# Altium PCB master.PcbDoc (part 8 of 10)
Units mm, origin at the board's own origin, x right, y up, seen from the top; angles counter-clockwise.
Board outline 160 x 120 mm, 6 copper layers (Top Signal, Top GND, Inner PWR, Inner Signal, Bottom GND, Bottom Signal), stack 1.601 mm thick; 526 components, 435 nets, 2167 pads, 1617 vias.
Unrouted connection lines stored in the file: 3.
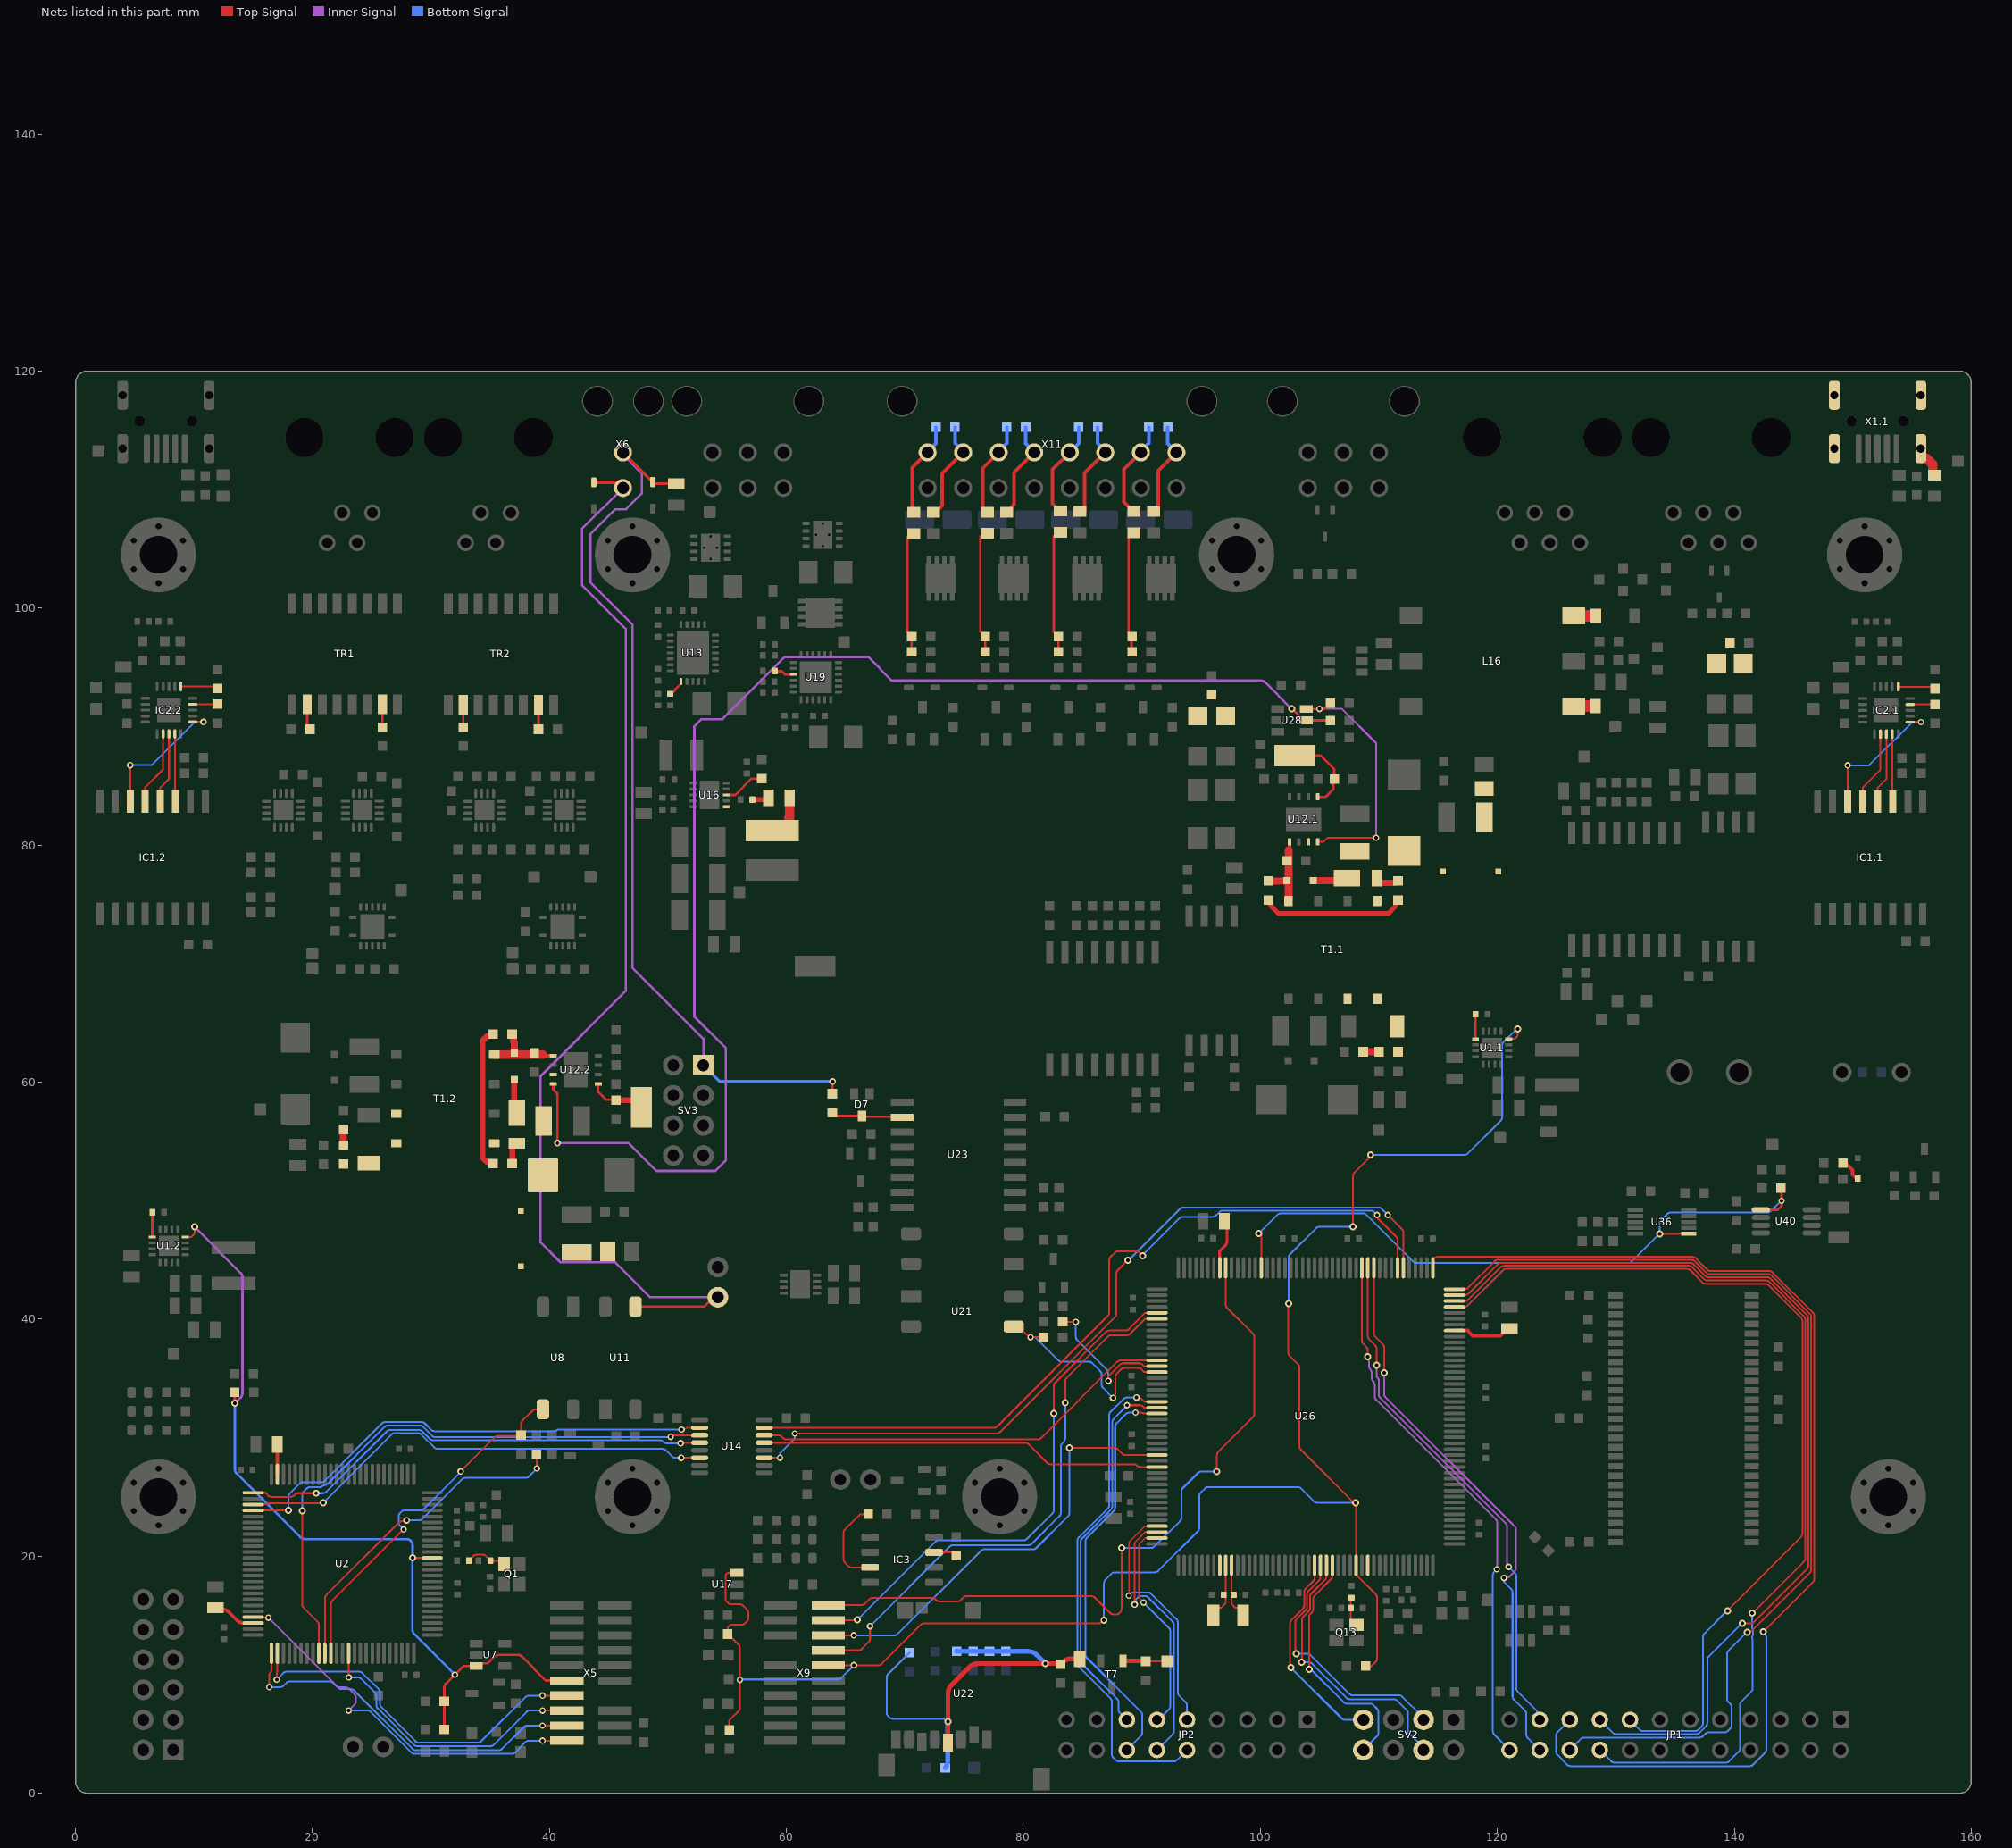
[diagram p12: the nets of this part, all layers, seen from the top]

## Via types
v1: diameter 0.6, hole 0.3, Top Signal to Bottom Signal, 1012 vias
v2: diameter 0.55, hole 0.3, Top Signal to Bottom Signal, 235 vias
v3: diameter 0.45, hole 0.2, Top Signal to Bottom Signal, 178 vias
v4: diameter 0.55, hole 0.3, Top Signal to Bottom Signal, tented both sides, 112 vias
v5: diameter 0.5, hole 0.2, Top Signal to Bottom Signal, 50 vias
v6: diameter 0.45, hole 0.2, Top Signal to Bottom Signal, tented top, 15 vias
v7: diameter 0.5, hole 0.3, Top Signal to Bottom Signal, tented both sides, 12 vias
v8: diameter 0.6, hole 0.3, Top Signal to Bottom Signal, tented both sides, 2 vias
v9: diameter 0.5, hole 0.3, Top Signal to Bottom Signal, 1 vias

## Nets (pads, with @x,y where several pads share a name; then routed paths per layer and width w, separated by ;. In a path a pad name is that pad's centre, name@x,y a point inside that pad or via, vN(x,y) a via of type N, cw(c..) or ccw(c..) an arc to the next point about the centre after c; other vN are vias at no path point) (continued)
I2C3.SDA: R127.1 U26.118 U36.6 U40.5 | length 58.1
  Top Signal w0.15: v1(99.865,47.238) 100.072,47.03 100.072,46.652 100.079,46.646 100.079,46.23 100.072,46.223 U26.118@100.072,44.334 ; v1(133.697,47.203) U36.6@136.147,47.202
  Top Signal w0.2: U40.5@142.24,49.224 143.665,49.224 143.987,49.546 v7(143.987,49.984) 143.987,51.023 R127.1@143.943,51.067
  Bottom Signal w0.15: v1(99.865,47.238) 101.43,48.803 cw(c101.695,48.538) 101.695,48.913 108.686,48.913 cw(c108.686,48.538) 108.954,48.801 112.895,44.859 ccw(c113.16,45.125) 113.16,44.75 131.089,44.75 ccw(c131.089,45.125) 131.354,44.86 v1(133.697,47.203) 133.697,48.085 cw(c134.072,48.085) 133.807,48.35 134.347,48.89 cw(c134.612,48.624) 134.612,48.999 142.784,48.999 ccw(c142.784,49.374) 143.049,49.109 v7@143.956,50.016
INTERLOCK_CONTROL_MCU_0: R85.2 U26.146 | length 12.2
  Top Signal w0.152: R85.2@83.313,39.775 v2(84.425,39.775) ; v2(87.175,34.8) 87.175,35.175 88.17,36.17 cw(c88.439,35.902) 88.439,36.282 89.761,36.282 cw(c89.761,35.902) 90.03,36.17 90.166,36.034 U26.146@91.273,36.034
  Bottom Signal w0.152: v2(84.425,39.775) 84.425,38.507 ccw(c84.805,38.507) 84.536,38.239 87.064,35.711 cw(c86.795,35.443) 87.175,35.443 v2(87.175,34.8)
INTERLOCK_CONTROL_MCU_1: R40.2 U2.85 | length 28.3
  Top Signal w0.152: U2.85@21.042,11.804 21.042,16.44 cw(c21.423,16.44) 21.154,16.709 27.277,22.832 cw(c27.547,22.563) 27.547,22.944 27.712,22.944 ccw(c27.712,23.325) 27.93,23.013 v4(27.94,23.02) ; R40.2@38.913,28.6 38.914,28.599 38.92,28.577 cw(c38.552,28.478) 38.933,28.478 v2(38.933,27.4)
  Bottom Signal w0.152: v4(27.94,23.02) 28.987,23.02 ccw(c28.987,23.401) 29.257,23.132 32.613,26.488 cw(c32.883,26.219) 32.883,26.6 37.975,26.6 ccw(c37.975,26.981) 38.244,26.712 v2(38.933,27.4)
INTERLOCK_FEEDBACK_MCU_0: R84.2 U21.3 U26.147 | length 18.4
  Top Signal w0.152: U21.3@79.175,39.375 79.445,39.375 cw(c79.445,38.994) 79.716,39.261 80.397,38.581 ccw(c80.666,38.85) v2(80.6,38.475) R84.2@81.713,38.475 ; v2@87.565,33.384 87.662,33.48 ccw(c87.392,33.75) 87.773,33.75 87.773,35.141 cw(c88.154,35.141) 87.885,35.41 88.247,35.772 cw(c88.517,35.503) 88.517,35.884 89.693,35.884 cw(c89.693,35.503) 89.963,35.771 cw(c89.695,35.501) 89.965,35.769 90.201,35.534 U26.147@91.273,35.534
  Bottom Signal w0.152: v2(80.6,38.475) 81,38.475 82.964,36.511 ccw(c83.233,36.781) 83.233,36.4 85.542,36.4 cw(c85.542,36.019) 85.814,36.286 86.487,35.613 cw(c86.219,35.342) 86.6,35.342 86.6,34.473 ccw(c86.981,34.473) 86.712,34.204 v2(87.565,33.35)
INTERLOCK_FEEDBACK_MCU_1: R35.2 U2.86 U8.3 | length 30.7
  Top Signal w0.152: U2.86@21.543,11.804 21.543,15.957 cw(c21.924,15.957) 21.654,16.226 v4(27.686,22.258) ; v2(32.5,27.152) 35.411,30.063 cw(c35.68,29.794) 35.68,30.175 37.097,30.175 ccw(c37.097,30.556) 37.429,30.369 R35.2@37.43,30.37 ; R35.2@37.6,30.2 37.6,31.142 cw(c37.981,31.142) 37.712,31.412 38.694,32.394 U8.3@39.453,32.394
  Bottom Signal w0.152: v4(27.686,22.258) 27.385,22.559 cw(c27.654,22.828) 27.273,22.828 27.273,23.367 cw(c27.654,23.367) 27.385,23.637 27.491,23.742 cw(c27.76,23.473) 27.76,23.854 29.094,23.854 ccw(c29.094,24.235) 29.363,23.965 32.387,26.989 ccw(c32.117,27.258) 32.441,27.057 v2(32.5,27.152)
INTERLOCK_STATUS: D6.1 R52.2 R70.2 SV3.1 X6.1 | length 77.2
  Top Signal w0.254: X6.1@46.2,113.14 D6.1@48.717,110.623 ; D6.1@48.815,110.94 48.717,110.842 D6.1@48.717,110.642 D6.1@48.717,110.623 ; R52.2@50.71,110.506 48.815,110.506 48.717,110.604 D6.1@48.717,110.623 ; R70.2@63.875,59.021 63.875,60.078 63.896,60.057 v2(63.896,60.053)
  Inner Signal w0.2: X6.1@46.2,113.14 46.2,112.974 47.791,111.383 47.791,109.663 46.47,108.342 45.543,108.342 43.448,106.247 43.448,102.172 47.001,98.618 47.001,69.663 52.987,63.677 SV3.1@52.987,61.427
  Bottom Signal w0.254: SV3.1@52.987,61.427 54.361,60.053 v2(63.896,60.053)
ISO_FTDI_DTR_1: IC1.1.4 IC2.1.18 | length 6
  Top Signal w0.152: IC1.1.4@152.105,83.677 152.105,84.846 152.835,85.577 IC2.1.18@152.835,89.375
ISO_FTDI_DTR_2: IC1.2.4 IC2.2.18 | length 6
  Top Signal w0.152: IC1.2.4@7.159,83.693 7.159,84.863 7.889,85.593 IC2.2.18@7.889,89.391
ISO_FTDI_RTS_1: IC1.1.3 IC2.1.19 | length 5.7
  Top Signal w0.152: IC1.1.3@153.335,83.717 IC2.1.19@153.335,89.375
ISO_FTDI_RTS_2: IC1.2.3 IC2.2.19 | length 5.7
  Top Signal w0.152: IC2.2.19@8.389,89.391 8.389,83.733 IC1.2.3@8.429,83.693
ISO_FTDI_RX_1: IC1.1.6 IC2.1.1 | length 11.7
  Top Signal w0.152: IC1.1.6@149.564,83.667 v2(149.564,86.734) ; IC2.1.1@154.835,90.375 v2(155.746,90.375)
  Bottom Signal w0.152: v2(149.564,86.734) 151.364,86.734 155.005,90.375 v2(155.746,90.375)
ISO_FTDI_RX_2: IC1.2.6 IC2.2.1 | length 11.7
  Top Signal w0.152: IC1.2.6@4.619,83.693 4.619,84.887 v2(4.618,86.75) ; IC2.2.1@9.889,90.391 v2(10.8,90.391)
  Bottom Signal w0.152: v2(4.618,86.75) 6.418,86.75 10.059,90.391 v2(10.8,90.391)
ISO_FTDI_TX_1: IC1.1.5 IC2.1.17 | length 6.3
  Top Signal w0.152: IC1.1.5@150.835,83.677 150.835,84.869 152.335,86.37 IC2.1.17@152.335,89.375
ISO_FTDI_TX_2: IC1.2.5 IC2.2.17 | length 6.3
  Top Signal w0.152: IC1.2.5@5.889,83.693 5.889,84.886 7.389,86.386 IC2.2.17@7.389,89.391
ISO_GPIO_MCU_0_IN_0: JP1.21 U26.100 | length 44
  Top Signal w0.15: U26.100@109.072,44.334 109.072,38.559 ccw(c109.447,38.559) 109.182,38.294 109.694,37.782 cw(c109.429,37.517) 109.804,37.517 v1(109.804,36.119)
  Inner Signal w0.15: v1(109.804,36.119) 109.804,35.298 ccw(c110.179,35.298) 109.883,35.068 109.911,35.031 cw(c109.615,34.801) 109.99,34.801 109.99,33.633 ccw(c110.365,33.633) 110.1,33.368 120.713,22.755 cw(c120.45,22.488) 120.825,22.488 120.825,19.238 v2@120.988,19.075
  Bottom Signal w0.15: v2@120.988,19.075 121.487,18.576 cw(c121.224,18.308) 121.599,18.308 121.599,8.842 ccw(c121.974,8.842) 121.709,8.576 123.333,6.953 123.333,6.584 ccw(c123.708,6.584) 123.443,6.319 JP1.21@123.572,6.19
  other v2: 120.951,19.097
ISO_GPIO_MCU_0_IN_1: JP1.24 U26.101 | length 46
  Top Signal w0.15: U26.101@108.573,44.334 108.573,38.181 ccw(c108.948,38.181) 108.682,37.916 108.96,37.638 cw(c108.696,37.372) 108.963,37.635 cw(c108.697,37.37) 109.072,37.37 v1(109.072,36.835)
  Inner Signal w0.15: v1(109.072,36.835) 109.073,36.834 109.075,36.832 cw(c108.804,36.573) 109.179,36.573 109.179,36.015 ccw(c109.554,36.015) 109.27,35.771 109.288,35.75 cw(c109.004,35.505) 109.379,35.505 109.379,35.072 ccw(c109.754,35.072) 109.488,34.807 109.53,34.766 cw(c109.265,34.5) 109.64,34.5 109.64,33.489 ccw(c110.015,33.489) 109.75,33.223 119.886,23.087 cw(c119.621,22.822) 119.996,22.822 v2@119.996,18.875
  Bottom Signal w0.15: v2(119.947,18.884) 119.735,18.673 ccw(c120,18.407) 119.625,18.407 119.625,5.212 ccw(c120,5.212) 119.735,4.947 JP1.24@121.032,3.65
ISO_GPIO_MCU_0_IN_2: JP2.14 U26.154 | length 35.3
  Top Signal w0.152: v4(89.452,32.116) 89.914,32.116 cw(c89.914,31.735) 90.151,32.034 U26.154@91.072,32.034
  Bottom Signal w0.152: JP2.14@88.27,3.19 JP2.14@88.73,3.65 89.9,4.82 ccw(c89.63,5.089) 90.011,5.089 90.011,6.611 ccw(c89.63,6.611) 89.898,6.883 85.352,11.429 cw(c85.621,11.698) 85.24,11.698 85.24,21.274 cw(c85.621,21.274) 85.352,21.544 87.632,23.824 ccw(c87.363,24.094) 87.744,24.094 87.744,30.932 cw(c88.125,30.932) 87.856,31.201 88.659,32.005 cw(c88.929,31.735) 88.929,32.116 v4(89.452,32.116)
ISO_GPIO_MCU_0_IN_3: JP2.9 U26.173 | length 22
  Top Signal w0.12: v4(88.9,16.662) 88.9,21.056 cw(c89.2,21.056) 88.988,21.269 90.253,22.534 U26.173@91.273,22.534
  Bottom Signal w0.152: v4(88.9,16.662) 89.186,16.948 90.501,16.948 cw(c90.501,16.567) 90.772,16.835 92.914,14.692 cw(c92.647,14.421) 93.027,14.421 93.027,8.502 ccw(c93.408,8.502) 93.139,8.232 93.696,7.675 cw(c93.429,7.403) 93.73,7.637 93.81,7.534 JP2.9@93.81,6.19 JP2.9@94.27,5.73
ISO_GPIO_MCU_0_OUT_0: JP2.10 U26.152 | length 42.5
  Top Signal w0.152: v4(89.544,33.384) 89.693,33.384 cw(c89.693,33.003) 89.963,33.272 cw(c89.695,33.001) 89.965,33.269 90.201,33.034 U26.152@91.072,33.034
  Bottom Signal w0.152: v4(89.544,33.384) 88.723,33.384 ccw(c88.723,33.003) 88.454,33.272 87.351,32.169 ccw(c87.62,31.9) 87.239,31.9 87.239,24.303 cw(c86.858,24.303) 87.127,24.034 84.682,21.589 ccw(c84.952,21.319) 84.571,21.319 84.571,10.917 ccw(c84.952,10.917) 84.682,10.648 87.358,7.973 cw(c87.09,7.701) 87.471,7.701 87.471,3.263 ccw(c87.852,3.263) 87.583,2.994 87.792,2.784 ccw(c88.062,3.054) 88.062,2.673 92.675,2.673 ccw(c92.675,3.054) 92.944,2.784 JP2.10@93.81,3.65
ISO_GPIO_MCU_0_OUT_1: JP2.13 U26.153 | length 32.1
  Top Signal w0.152: v4(88.745,32.739) 89.827,32.739 cw(c89.827,32.358) 90.097,32.627 90.19,32.534 U26.153@91.072,32.534
  Bottom Signal w0.152: JP2.13@88.73,6.19 88.041,6.879 88.041,7.664 ccw(c87.66,7.664) 87.928,7.936 84.938,10.926 cw(c85.207,11.195) 84.826,11.195 84.826,21.217 cw(c85.207,21.217) 84.938,21.487 87.38,23.929 ccw(c87.111,24.199) 87.492,24.199 87.492,31.292 cw(c87.873,31.292) 87.603,31.562 88.666,32.625 ccw(c88.397,32.894) v4(88.745,32.739)
ISO_GPIO_MCU_0_OUT_2: JP2.12 U26.174 | length 23.9
  Top Signal w0.12: v1(89.381,15.93) 89.381,21.013 cw(c89.681,21.013) 89.469,21.225 90.278,22.034 U26.174@91.273,22.034
  Bottom Signal w0.152: v1@89.408,16.053 89.408,16.113 cw(c89.789,16.113) 89.52,16.382 89.655,16.517 cw(c89.924,16.248) 89.924,16.629 90.268,16.629 cw(c90.268,16.248) 90.539,16.516 92.597,14.458 cw(c92.329,14.187) 92.71,14.187 92.71,5.248 cw(c92.329,5.248) 92.598,4.978 JP2.12@91.27,3.65 JP2.12@90.81,3.19
ISO_GPIO_MCU_0_OUT_3: JP2.11 U26.175 | length 18.2
  Top Signal w0.12: v4(90.14,16.091) 89.757,16.473 89.757,20.896 cw(c90.057,20.896) 89.845,21.108 90.271,21.534 U26.175@91.273,21.534
  Bottom Signal w0.152: v4(90.14,16.091) 92.279,13.952 cw(c92.011,13.68) 92.392,13.68 92.392,7.333 cw(c92.011,7.333) 92.291,7.074 92.286,7.069 JP2.11@91.281,6.064
ISONOC_0_CONTROL: JP1.15 U26.85 | length 76.8
  Top Signal w0.15: U26.85@116.372,41.034 117.222,41.034 ccw(c117.222,41.409) 117.487,41.144 120.484,44.14 cw(c120.749,43.875) 120.749,44.25 135.998,44.25 cw(c135.999,43.875) 136.265,44.14 cw(c136.001,43.873) 136.267,44.138 137.309,43.095 ccw(c137.574,43.361) 137.574,42.986 142.614,42.986 cw(c142.615,42.611) 142.883,42.873 145.635,40.122 cw(c145.37,39.856) 145.745,39.855 145.745,21.898 cw(c145.37,21.898) 145.635,21.633 139.518,15.515 ccw(c139.783,15.25) v1(139.435,15.391)
  Bottom Signal w0.15: JP1.15@131.192,6.19 132.026,5.356 ccw(c132.291,5.622) 132.291,5.247 136.689,5.247 ccw(c136.689,5.622) 136.954,5.357 137.253,5.656 ccw(c136.988,5.921) 137.363,5.921 137.363,13.205 cw(c137.738,13.205) 137.473,13.47 139.312,15.309 cw(c139.576,15.043) v1(139.435,15.391)
ISONOC_1_CONTROL: JP1.18 U26.86 | length 84
  Top Signal w0.15: U26.86@116.372,41.534 117.267,41.534 ccw(c117.267,41.909) 117.532,41.644 120.279,44.39 cw(c120.544,44.125) 120.544,44.5 136.175,44.5 cw(c136.176,44.125) 136.443,44.388 137.464,43.367 ccw(c137.728,43.633) 137.728,43.258 142.695,43.258 cw(c142.697,42.883) 142.964,43.146 143.054,43.056 cw(c142.79,42.79) 143.056,43.055 143.059,43.051 cw(c142.794,42.786) 143.06,43.05 145.822,40.288 cw(c145.558,40.022) 145.824,40.287 145.882,40.228 cw(c145.618,39.962) 145.885,40.225 cw(c145.62,39.96) 145.995,39.96 145.995,39.858 cw(c145.37,39.856) 145.995,39.854 145.995,19.822 cw(c145.62,19.822) 145.885,19.557 v1(141.518,15.189)
  Bottom Signal w0.152: JP1.18@128.652,3.65 129.612,2.69 ccw(c129.882,2.959) 129.882,2.578 139.29,2.578 ccw(c139.29,2.959) 139.56,2.69 140.364,3.494 ccw(c140.095,3.764) 140.476,3.764 140.476,7.458 cw(c140.857,7.458) 140.587,7.728 141.441,8.581 ccw(c141.172,8.851) 141.553,8.851 141.553,12.866 ccw(c141.172,12.865) 141.548,12.925 ; v1@141.517,15.188 141.512,15.169 ccw(c141.879,15.067) 141.498,15.067 141.498,14.022 ccw(c141.879,14.022) 141.511,13.921 141.561,13.743 cw(c141.194,13.64) 141.575,13.64 141.575,13.528 cw(c141.194,13.528) 141.566,13.446 141.524,13.252 ccw(c141.896,13.172) 141.52,13.116 141.548,12.926
ISONOC_2_CONTROL: JP1.17 U26.87 | length 81.1
  Top Signal w0.15: U26.87@116.372,42.034 117.278,42.034 ccw(c117.278,42.409) 117.543,42.144 120.039,44.64 cw(c120.304,44.375) 120.304,44.75 136.176,44.75 cw(c136.178,44.5) 136.179,44.75 136.278,44.75 cw(c136.279,44.375) 136.548,44.637 cw(c136.283,44.372) 136.549,44.636 136.614,44.571 cw(c136.351,44.303) 136.619,44.566 137.531,43.654 ccw(c137.796,43.919) 137.796,43.544 142.763,43.544 cw(c142.764,43.169) 143.031,43.433 cw(c142.769,43.164) 143.035,43.429 143.136,43.327 ; v1(140.656,14.345) ccw(c140.758,14.706) 140.78,14.331 140.992,14.344 cw(c141.014,13.97) 141.014,14.345 141.402,14.345 ccw(c141.402,14.72) 141.667,14.454 146.135,18.922 ccw(c145.87,19.188) 146.245,19.188 146.245,40.062 ccw(c145.87,40.063) 146.135,40.329 ccw(c145.868,40.065) 146.132,40.331 146.07,40.394 ccw(c145.804,40.13) 146.068,40.396 143.137,43.327
  Bottom Signal w0.152: JP1.17@128.652,6.19 129.735,5.107 ccw(c130.004,5.377) 130.004,4.996 136.79,4.996 ccw(c136.79,5.377) 137.06,5.107 137.607,5.654 ccw(c137.338,5.924) 137.719,5.924 137.719,11.249 cw(c138.1,11.249) 137.83,11.519 v1(140.656,14.345)
ISONOC_3_CONTROL: JP1.20 U26.88 | length 85.3
  Top Signal w0.15: U26.88@116.372,42.534 117.254,42.534 ccw(c117.254,42.909) 117.519,42.644 119.766,44.89 cw(c120.031,44.625) 120.031,45 136.382,45 cw(c136.383,44.625) 136.649,44.889 136.726,44.813 ; 136.726,44.812 136.792,44.746 cw(c136.351,44.303) 136.794,44.744 137.63,43.908 ccw(c137.895,44.174) 137.895,43.799 142.862,43.799 cw(c142.863,43.424) 143.13,43.687 cw(c142.866,43.421) 143.132,43.686 143.208,43.61 ; v1(141.072,13.584) cw(c141.302,13.289) 141.28,13.663 141.302,13.664 ccw(c141.279,14.039) 141.544,13.773 146.385,18.614 ccw(c146.12,18.88) 146.495,18.88 146.495,40.064 ccw(c146.245,40.065) 146.495,40.066 146.495,40.165 ccw(c146.12,40.167) 146.386,40.431 ccw(c146.118,40.169) 146.383,40.434 ccw(c146.116,40.171) 146.381,40.437 ccw(c146.114,40.173) 146.378,40.439 146.306,40.511 ccw(c146.04,40.247) 146.305,40.512 143.315,43.503 ccw(c143.049,43.238) 143.313,43.504 ccw(c143.046,43.241) 143.311,43.507 143.209,43.609
  Bottom Signal w0.152: JP1.20@126.112,3.65 127.049,4.587 cw(c127.319,4.318) 127.319,4.699 137.078,4.699 ccw(c137.078,5.08) 137.348,4.811 137.556,5.019 cw(c137.826,4.75) 137.826,5.131 139.161,5.131 ccw(c139.161,5.512) 139.431,5.242 139.665,5.476 ccw(c139.395,5.746) 139.776,5.746 139.776,7.266 ccw(c139.395,7.265) 139.662,7.537 cw(c139.929,7.808) 139.66,7.539 139.486,7.713 cw(c139.756,7.982) 139.375,7.982 139.375,11.729 cw(c139.756,11.729) 139.486,11.999 v1(141.072,13.584)
ISONOC_4_CONTROL: JP1.19 U26.89 | length 94.9
  Top Signal w0.152: U26.89@114.572,44.334 114.572,44.87 cw(c114.953,44.87) 114.953,45.251 136.485,45.251 cw(c136.485,44.87) 136.757,45.137 136.826,45.067 137.732,44.161 ccw(c138.001,44.431) 138.001,44.05 142.965,44.05 cw(c142.965,43.669) 143.234,43.938 143.238,43.935 cw(c142.969,43.664) 143.239,43.934 143.305,43.867 146.634,40.539 cw(c146.365,40.268) 146.746,40.269 146.746,18.077 cw(c146.365,18.077) 146.635,17.808 v1(142.458,13.632)
  Bottom Signal w0.152: JP1.19@125.653,5.731 125.075,5.153 ccw(c125.345,4.884) 124.964,4.884 124.964,3.49 ccw(c125.345,3.49) 125.075,3.22 125.898,2.397 ccw(c126.167,2.667) 126.167,2.286 141.312,2.286 ccw(c141.312,2.667) 141.581,2.397 142.586,3.402 ccw(c142.316,3.671) 142.697,3.671 142.697,13.161 ccw(c142.316,13.161) 142.585,13.431 142.558,13.458 cw(c142.827,13.727) v1(142.458,13.632)
ISONOC_5_CONTROL: JP1.22 U26.99 | length 47.7
  Top Signal w0.152: U26.99@109.573,44.334 109.573,38.804 ccw(c109.954,38.804) 109.684,38.534 110.331,37.887 cw(c110.064,37.616) 110.445,37.616 v1(110.445,35.484)
  Inner Signal w0.152: v1(110.445,35.484) cw(c110.066,35.443) 110.447,35.438 110.445,35.252 ccw(c110.826,35.248) 110.445,35.248 110.445,33.678 ccw(c110.826,33.678) 110.557,33.409 121.075,22.89 cw(c120.806,22.621) 121.076,22.889 121.463,22.502 cw(c121.195,22.232) 121.465,22.5 cw(c121.197,22.23) 121.578,22.23 121.578,18.995 cw(c121.197,18.995) 121.466,18.726 121.008,18.268 cw(c120.739,18.538) 120.739,18.157 v2(120.56,18.157)
  Bottom Signal w0.152: 120.537,17.826 ccw(c120.179,17.956) 120.56,17.957 v2(120.56,18.157) 120.56,17.825 121.171,17.214 cw(c120.904,16.942) 121.285,16.942 121.285,8.159 ccw(c121.666,8.159) 121.397,7.89 122.338,6.948 cw(c122.071,6.677) 122.452,6.677 122.452,4.928 ccw(c122.833,4.928) 122.563,4.659 JP1.22@123.572,3.65
LSE_1_MCU_0: C99.2 Q12.2 U26.9 | length 4.8
  Top Signal w0.15: Q12.2@96.038,14.994 96.038,15.206 96.463,15.631 96.675,15.631 97.073,16.029 97.073,16.736 U26.9@97.073,19.234
LSE_2_MCU_0: C102.1 Q12.1 U26.10 | length 4.8
  Top Signal w0.152: U26.10@97.573,19.234 97.573,16.736 97.573,15.959 97.898,15.634 98.114,15.634 98.538,15.21 Q12.1@98.538,14.994
MCU_0_ISO_EN: R110.1 U12.1.4 U28.6 | length 21.3
  Top Signal w0.152: U12.1.4@104.85,80.272 105.314,80.272 105.675,80.633 v2@109.819,80.633
  Top Signal w0.2: U28.6@103.859,91.48 105.407,91.48 R110.1@105.899,91.971
  Inner Signal w0.152: v2(104.981,91.5) 106.875,91.5 109.769,88.606 v2(109.769,80.625)
MCU_0_NRESET: C115.1 R54.1 R58.1 U1.1.4 U17.3 U26.31 X9.10 | length 155.8
  Top Signal w0.15: v1(102.387,41.326) 102.381,41.309 ccw(c102.737,41.19) 102.362,41.19 102.362,37.163 ccw(c102.737,37.163) 102.472,36.898 103.166,36.204 cw(c102.903,35.937) 103.278,35.937 103.278,29.294 ccw(c103.653,29.294) 103.388,29.029 108.072,24.344 U26.31@108.072,19.234 ; v1(107.827,47.784) 107.827,52.098 cw(c108.202,52.098) 107.937,52.363 109.19,53.616 ccw(c108.925,53.881) v1@109.3,53.874 ; U1.1.4@120.957,63.645 121.468,63.645 121.622,63.799 ccw(c121.357,64.065) 121.732,64.065 v1(121.732,64.491)
  Top Signal w0.152: R54.1@55.028,13.427 55.028,13.428 ccw(c54.66,13.528) 55.041,13.529 55.041,13.966 55.236,14.161 55.329,14.188 cw(c55.437,13.823) 55.437,14.204 56.217,14.204 ccw(c56.217,14.585) 56.487,14.315 56.688,14.517 ccw(c56.419,14.786) 56.8,14.786 56.8,15.198 ccw(c56.419,15.197) 56.687,15.469 56.31,15.846 ccw(c56.039,15.578) 56.039,15.959 55.327,15.959 cw(c55.327,16.34) 55.058,16.07 54.961,16.167 cw(c55.231,16.436) 54.85,16.436 54.85,18.207 cw(c55.231,18.207) 54.862,18.304 54.905,18.464 55.028,18.588 U17.3@55.828,18.589 ; R54.1@55.077,13.427 55.955,12.549 cw(c55.688,12.277) 56.069,12.277 v4(56.069,9.568) 56.069,7.205 cw(c55.688,7.205) 55.957,6.935 55.292,6.27 ccw(c55.561,6) 55.243,6.21 55.18,6.115 R58.1@55.18,5.337 ; X9.10@63.535,10.781 65.583,10.781 ccw(c65.583,11.162) 65.668,10.79 v4(65.69,10.796) ; v4(65.69,10.796) 67.77,10.796 ccw(c67.77,11.177) 68.039,10.907 71.365,14.233 cw(c71.634,13.964) 71.634,14.345 86.397,14.345 ccw(c86.397,14.726) 86.667,14.456 v1(86.801,14.591) ; U26.31@108.072,19.234 108.072,18.444 109.732,16.784 cw(c109.463,16.516) 109.843,16.516 109.843,11.344 cw(c109.463,11.344) 109.732,11.075 109.385,10.728 C115.1@108.872,10.728